# Altium PCB PCB_v3.PcbDoc (part 3 of 7) (continued)
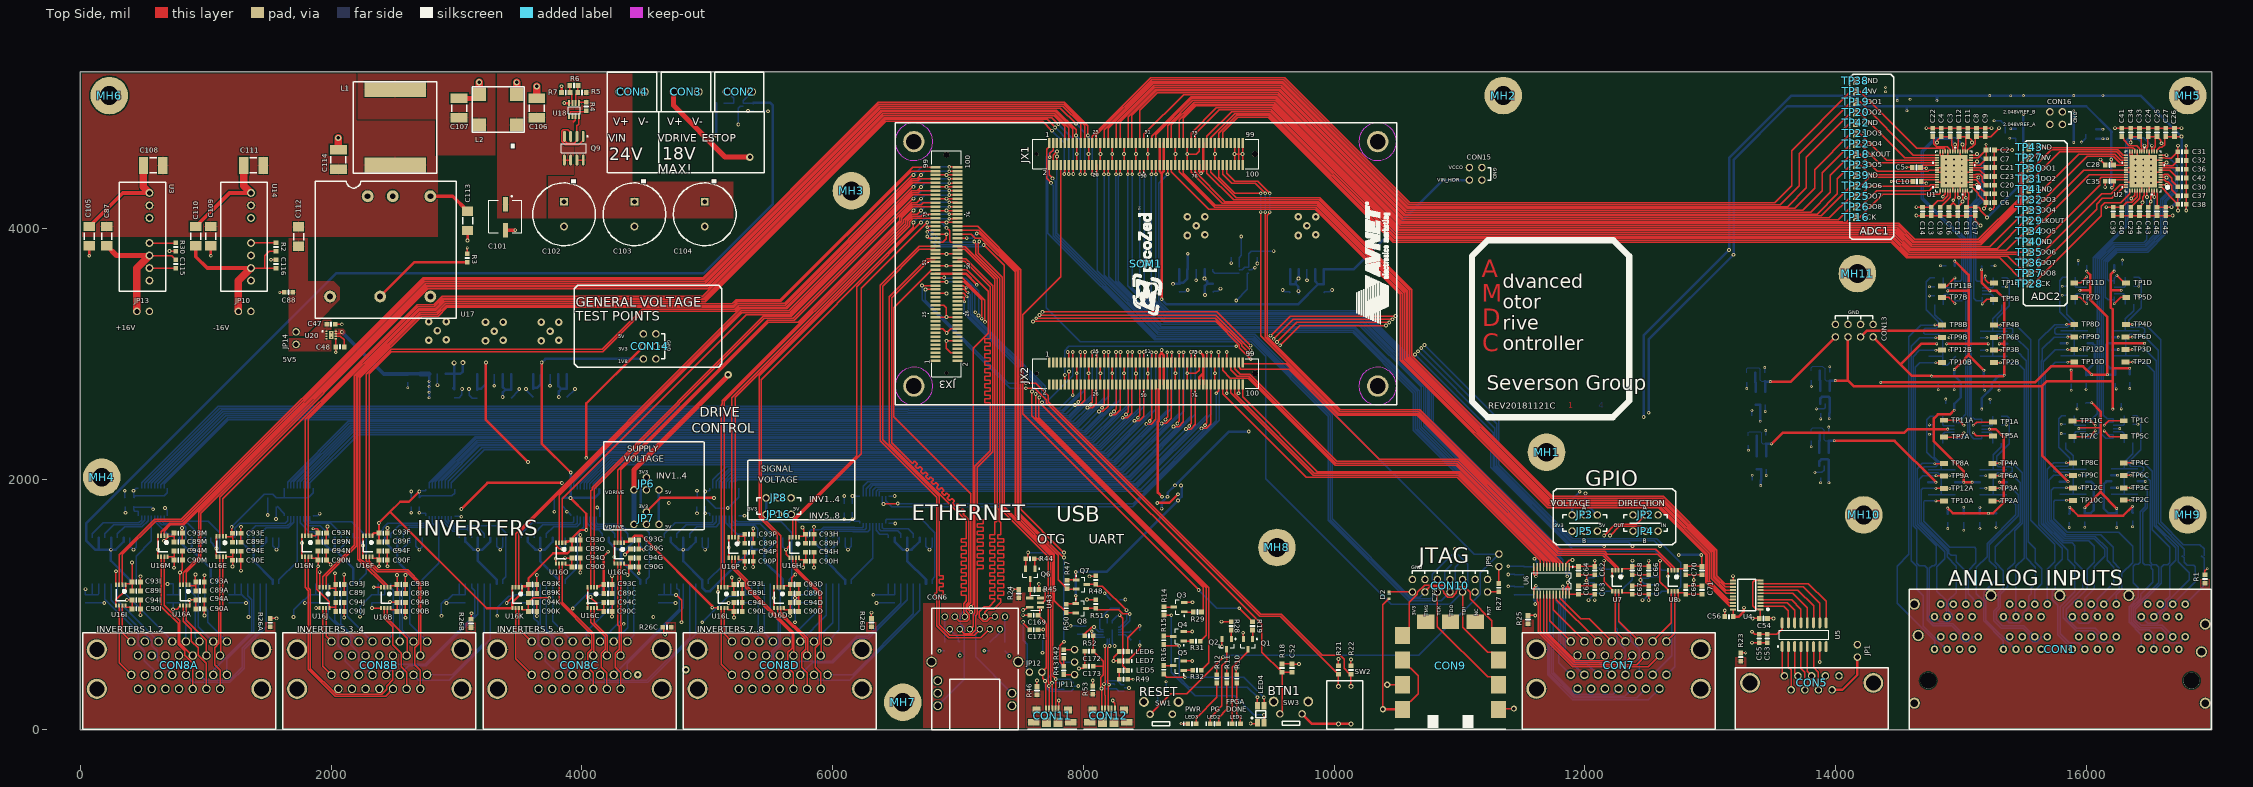
[diagram p0: Top Side view]
## Nets (pads, with @x,y where several pads share a name; then routed paths per layer and width w, separated by ;. In a path a pad name is that pad's centre, name@x,y a point inside that pad or via, vN(x,y) a via of type N, cw(c..) or ccw(c..) an arc to the next point about the centre after c; other vN are vias at no path point) (continued)
  Power Layer w20: CON16.3@15710,4930 15765,4875 15765,4786.08 15811.08,4740 16110.05,4740 v2(16133.89,4716.16)
  Bottom Side w20: v2(15947.02,1931.06) U48C.5@16002.28,1931.06 ; v2(15947.02,2031.06) U48C.3@16002.28,2031.06 ; v2(15955.31,3033.6) U48D.5@16011.85,3033.6 ; v2(15955.31,3133.6) U48D.3@16011.85,3133.6 ; U19B.2@16080.88,4716.16 v2(16133.89,4716.16) v2(16170,4716.16) ; U47C.3@16198.74,1931.55 v2(16250,1931.55) ; U47C.5@16198.74,2031.55 v2(16250,2031.55) ; U47D.3@16208.31,3034.08 v2(16255.62,3034.08) ; U47D.5@16208.31,3134.08 v2(16254.98,3134.08)
3.3V: C162.1 CON6.14 CON6.16 CON9.9 CON9.11 CON14.3 D2.A JP3.1 JP5.1 JP6.4 JP7.4 JP8.1 JP16.1 LED4.1 LED6.A LED7.A Q6.1 R10.2 R11.2 R44.2 R48.2 R49.2 R51.2 R56.1 U39.4 U39.5 | length 24002.5
  Top Side w10: R44.2@7608.46,1365 7612.95,1365 7613.94,1364.02 Q6.1@7613.94,1286.34 ; R44.2@7614.92,1365 v1(7655,1365) ; v1(8030,1040) 8097.21,1040 R51.2@8098.75,1038.46 ; v1(8050,1225) 8096.54,1225 R48.2@8100,1228.46 ; LED7.A@8286.54,550 v1(8240,550) 8241.54,551.54 8241.54,580 LED6.A@8286.54,625 ; R49.2@8353.46,403.98 v2(8396.57,403.98) ; R11.2@9145,441.06 v1(9145,495) ; v1(9220,490) 9220,446.06 R10.2@9225,441.06 ; v1(9335,50) 9381.64,50 LED4.1@9387.74,56.1 ; v5(10390,165) 10390,999.41 10438.03,1047.44 D2.A@10440,1047.44 ; CON9.11@10545,163.15 10670.46,288.61 10670.46,431.39 CON9.9@10545,556.85
  Top Side w20: v1(3234,2930) 3234,2473.12 v1(3570,2137.12) ; v1(4035,2170) 4035,2604.17 CON14.3@4490,3059.17 ; JP7.4@4515,1740 4625,1850 v1(5054,1850) ; v5(10390,165) 10536.85,165 10541.85,160 CON9.11@10545,163.15
  Ground Layer w20: v1(4035,2170) 4190.01,2014.99 JP6.4@4515,2014.99
  Power Layer w10: 8240,405 8241.02,403.98 v2(8396.57,403.98)
  Power Layer w20: v1(3570,2137.12) 3570.12,2137 4035,2137 ; v1(4035,2170) 4035,2137 ; v1(5054,1850) JP8.1@5469.83,1850 ; CON6.16@6839,293.03 7331,293.03 CON6.14@7431,193.03 8108.03,193.03 8240,325 8240,405 v1(8240,550) 8400,710 8400,975 v1(8335,1040) ; v1(7655,1365) 7795,1225 v1(8050,1225) 8050,1060 ; v1(8030,1040) 8050,1060 ; v1(8625,1765) 8335,1475 v1(8335,1040) ; v1(8671.54,1860) 9025,1506.54 9025,796.16 9275,546.16 ; v1(8732.07,1950.91) 8545.98,2137 4035,2137 ; v1(9145,495) 9150,490 v1(9220,490) ; v1(9320,2380) 11763.35,2380 11960,2183.35 v1(11960,1900) ; v1(9335,50) 9220,165 v1(9220,490) ; v5(10390,165) 9970.95,165 9880.95,75 9715,75 9685,105 9685,136.16 9275,546.16 ; JP5.1@11900,1585 JP3.1@11900,1715 ; 8050,1060 8070,1040 v1(8335,1040) ; v1(9220,490) 9220,491.16 9275,546.16
  Bottom Side w10: R56.1@8290,1038.46 8291.54,1040 v1(8335,1040)
  Bottom Side w20: U39.5@3167,2835.65 C162.1@3167,2713.46 3174.9,2721.37 3195.7,2721.37 3234,2759.67 U39.4@3234,2835.65 v1(3234,2930) ; JP7.4@4515,1740 4470,1785 4470,1969.99 JP6.4@4515,2014.99 ; JP16.1@5469.83,1720.17 5469.91,1720.26 5469.91,1849.91 JP8.1@5469.83,1850 ; v1(8625,1765) 8625,1813.46 v1(8671.54,1860) 8673.45,1861.91 8673.45,1892.29 v1(8732.07,1950.91) 9161.16,2380 v1(9320,2380) ; JP3.1@11900,1715 11900,1840 v1(11960,1900)
5.5V: C157A.1 C157B.1 C161.1 C163A.1 C163B.1 U20.7 U20.8 U37A.1 U37A.2 U37B.2 U39.1 U39.2 U40A.4 U40A.5 U40B.4 U40B.5 | length 2470.6
  Top Side w10: U20.8@2037.4,3179.53 U20.7@2037.4,3159.84 2070.32,3159.84 v1(2085,3174.53)
  Bottom Side w20: v2(2780.41,2650) v2(2780.41,2693.38) v2(2780.41,2739.23) v2(2780.41,2780) U40A.4@2780.41,2840 ; v1(3368,2655) 3369.91,2656.91 3369.91,2693.38 3390,2713.46 ; U39.2@3368,2835.65 3368,2735.46 3390,2713.46 ; U39.1@3435,2835.65 C161.1@3435,2713.46 3390,2713.46 ; U37A.2@3813,2835.65 3813,2742.54 3835.54,2719.99 ; v1(3816,2655) 3816,2700.45 3835.54,2719.99 ; U37A.1@3880,2835.65 C157A.1@3880,2719.99 3835.54,2719.99 ; U37B.2@8967.02,3676.54 8967.02,3597.29 8987.17,3577.15 8987.17,3558.46 ; v1(8970.02,3470) 8970.02,3541.32 8987.17,3558.46 ; C157B.1@9034.02,3558.46 8987.17,3558.46 ; U40B.5@9649.88,3676.54 C163B.1@9649.88,3555 9694.94,3555 ; 9716.88,3481.66 v1(9716.88,3500) 9714.97,3501.91 9714.97,3534.97 9694.94,3555 ; U40B.4@9716.88,3676.54 9716.88,3597.29 9694.94,3575.35 9694.94,3555
  Bottom Side w30: v1(2085,3174.53) 2419.53,2840 2609.32,2840 C163A.1@2610,2840.68 2712.72,2840.68 U40A.5@2713.41,2840
  Bottom Side w40: U40A.5@2713.41,2840 U40A.4@2780.41,2840
  other v1: 8967.02,3600 9716.88,3600
5.5V_ICL: C47.2 JP14.1 U20.1 U20.2 U20.3 U20.4
5.5V_JMP: C88.2 C112.2 JP14.2 U17.6 | length 11.1
  Top Side w30: U17.6@1991.01,3446.06 U17.6@1991.01,3457.17
5V: C3.1 C4.1 C8.1 C9.1 C13.1 C14.1 C17.1 C18.1 C26.1 C27.1 C33.1 C34.1 C39.1 C40.1 C45.1 C46.1 C53.1 C54.1 C55.1 C86.1 C92A.1 C92B.1 C92C.1 C92D.1 C92E.1 C92F.1 C164A.1 CON14.5 JP1.1 JP3.3 JP5.3 JP6.3 JP7.3 JP8.3 JP16.3 R13.1 R45.2 U1.15 U1.21 U1.43 U1.44 U1.52 U2.15 U2.21 U2.43 U2.44 U2.52 U4.1 U4.10 U5.16 U13A.20 U13B.20 U13C.20 U13D.20 U13E.20 U13F.20 U19A.1 U19B.1 U34.6 U40A.1 U40A.2 U43.5 | length 48286.2
  Top Side w10: v1(7520,957.02) 7523.83,960.85 7538.21,960.85 7554.96,977.6 U43.5@7572.68,977.6 ; R45.2@7643.46,1120 7645,1121.54 v1(7645,1165) ; v1(13335,783.22) 13355.57,762.65 C55.1@13391.54,762.65 C53.1@13456.54,762.65 13533,762.65 13575,804.65 U5.16@13575,853.67 ; v1(13340,888.59) C54.1@13391.54,888.59 13401.9,898.96 U4.1@13401.9,962.05 13366.89,962.05 13340,988.94 13340,1175.8 13356.57,1192.36 U4.10@13401.9,1192.36 ; v1(14645,4170) C14.1@14695,4170 C13.1@14765,4170 14816.83,4221.83 14856.66,4221.83 14895.79,4260.97 U1.44@14895.79,4301.04 ; v1(14810,4685) 14813.83,4688.83 14813.83,4701.9 C4.1@14845,4733.07 C3.1@14915,4733.07 14928.7,4719.37 14928.7,4660.94 14935.16,4654.49 U1.21@14935.16,4612.04 ; v1(14856.42,4253.41) 14856.42,4258.83 14874.39,4276.8 14874.39,4289.32 14876.1,4291.04 U1.43@14876.1,4301.04 ; U1.52@15053.27,4301.04 15053.27,4291.04 15065,4279.3 15065,4234.64 15058.7,4228.35 15058.7,4183.7 C18.1@15045,4170 C17.1@15115,4170 15143.46,4170 15155.63,4157.84 15155.63,4144.57 15208.43,4091.76 v1(15208.43,4087.79) ; U1.15@15053.27,4612.04 15053.27,4622.04 15080.07,4648.84 15089.2,4648.84 15115,4674.64 15115,4723.07 C8.1@15125,4733.07 C9.1@15195,4733.07 15238.07,4733.07 v1(15305,4800) ; v1(16160,4170) C39.1@16215,4170 C40.1@16285,4170 16325,4210 16361.82,4210 16405.79,4253.97 U2.44@16405.79,4301.04 ; v1(16355,4685) C34.1@16355,4733.07 C33.1@16425,4733.07 16438.7,4719.37 16438.7,4651.46 16445.16,4645 U2.21@16445.16,4612.04 ; v1(16360,4240) 16386.1,4266.1 U2.43@16386.1,4301.04 ; U2.52@16563.27,4301.04 16563.27,4291.04 16568.58,4285.72 16568.58,4173.58 C46.1@16565,4170 C45.1@16635,4170 v1(16680,4170) ; U2.15@16563.27,4612.04 16563.27,4622.04 16587.57,4646.34 16601.7,4646.34 16625,4669.64 16625,4723.07 C27.1@16635,4733.07 C26.1@16705,4733.07 v1(16760,4733.07)
  Top Side w20: v1(8590,1810) 8685.31,1810 v1(8755.31,1880)
  Power Layer w10: 13310,865.15 13316.56,865.15 v1(13340,888.59) ; v1(13335,783.22) 13360,808.22 13360,815.15 ; v1(14856.42,4253.41) v1@14858.07,4251.76 ; v2(15230,5060) 15230,4855 15255,4830 15275,4830 v1(15305,4800)
  Power Layer w20: v1(580,1760) 657.98,1682.02 v1@1557.98,1682.02 ; v1@1562.02,1682.02 2652.73,1682.02 v1(2703.31,1732.6) 2703.31,1733.31 2979.99,2009.99 ; v1(3880,1740) 3878.09,1738.09 3878.09,1696.43 3876.65,1695 ; JP7.3@4615,1640 4560,1695 3876.65,1695 ; JP6.3@4615,1914.99 4710.94,1914.99 4844.62,1781.31 4929.74,1781.31 ; v1(4983.31,1727.74) 4933.02,1778.02 5050,1895 5624.83,1895 JP8.3@5669.83,1850 5669.91,1849.91 5669.91,1720.09 JP16.3@5670,1720 ; v1(5070,4741) 5154.91,4741 5220,4675.91 5220,3889.17 CON14.5@4490,3159.17 4210.83,2880 3100,2880 v6(3050,2930) 2844.31,2930 2698.41,2784.1 2698.41,2291.58 2979.99,2009.99 ; v1(7520,957.02) 7520,1080 7610,1170 ; v1(7645,1165) 7643.09,1166.91 7613.09,1166.91 7610,1170 ; v1(8590,1810) 8057.57,1810 7610,1362.43 7610,1170 ; v1(9260,3936.54) 9467.4,3936.54 9575.05,3828.89 v1(13151.42,3828.89) ; v1(12005,1887) 12364.85,1887 12367.85,1890 12725,1890 ; JP5.3@12100,1585 JP3.3@12100,1715 ; JP1.1@14175,680 13495.15,680 13360,815.15 13310,865.15 12830,1345.15 12830,1644.77 12725,1749.77 12725,1890 ; v2(14492.1,5020) 14492.1,4322.9 v1(14645,4170) 14728.41,4253.41 v1(14856.42,4253.41) ; v1(14810,4685) v2(14810,5020) ; v2(15398.39,4794.96) 15399.2,4795.76 v2(15399.2,5059.2) ; v2(15500,4910) v2(15500,5060) ; v2(15900,4686) 15959.47,4626.54 16321.54,4626.54 16355,4660 v1(16355,4685) ; v2(15900,4940) v2(15900,5060) ; v2(16133.55,4790.96) v2(16133.55,5061.59) ; v1(16360,4240) 16230,4240 v1(16160,4170) 16217.17,4112.83 16622.83,4112.83 v1(16680,4170) ; 2979.99,2009.99 3070,1919.99 3329.99,1919.99 ; 3329.99,1919.99 3494.99,2084.99 8550.32,2084.99 v1(8755.31,1880) 9370.31,2495 v1(12470,2495) 12725,2240 12725,1890 ; 3329.99,1919.99 3554.98,1695 3876.65,1695
  Bottom Side w10: C92F.1@423.09,1782.6 423.09,1754.91 432,1746 456.5,1746 462.72,1739.78 U13F.20@462.72,1709.09 ; C92F.1@428.51,1777.18 562.82,1777.18 v1(580,1760) ; v1(1560,1682.02) C92E.1@1560,1781.43 ; C92E.1@1568.19,1782.6 1625.94,1724.84 U13E.20@1625.94,1709.09 ; v1(2703.31,1732.6) C92D.1@2703.31,1781.67 ; v1@2712.62,1728.7 2750.91,1728.7 2754.76,1724.84 U13D.20@2754.76,1709.09 ; C92C.1@3847.31,1782.6 v1@3876.17,1753.73 ; v1@3892.02,1736.17 3910.94,1717.24 U13C.20@3910.94,1709.09 ; C92B.1@4985.38,1782.6 C92B.1@4983.31,1780.53 4983.31,1732.6 4988.17,1727.74 5016.17,1727.74 5020.02,1723.88 U13B.20@5020.02,1709.09 U13B.20@5020.02,1708.35 ; JP16.3@5670,1720 5735.04,1654.96 6133.31,1654.96 v1(6158.31,1679.96) ; C92A.1@6158.45,1734.96 6158.31,1734.82 v1(6158.31,1679.96) ; U13A.20@6218.24,1646.5 6218.24,1662.24 6214.39,1666.1 6177.58,1666.1 6163.72,1679.96 v1(6158.31,1679.96) ; U34.6@9245.71,3692.13 9245.71,3770.67 C86.1@9246.58,3771.54 9260.28,3785.24 9260.28,3936.26 v1(9260,3936.54)
  Bottom Side w20: U40A.2@2914.41,2840 U40A.1@2981.41,2840 ; C164A.1@2973.5,2726.37 C164A.1@2981.41,2718.46 U40A.1@2981.41,2840 ; v6(2981.41,2928.59) U40A.1@2981.41,2840 ; v6(3050,2930) 3050,2860.63 3029.37,2840 U40A.1@2981.41,2840 ; JP7.3@4615,1640 JP6.3@4615,1914.99 ; R13.1@5066.54,5000.59 5070,4997.13 v1(5070,4741) ; v1(12005,1887) 12005,1810 JP3.3@12100,1715 ; v1(12470,2495) 12470,3147.47 v1(13151.42,3828.89) 13151.42,4560.83 13650.59,5060 14490,5060 ; v2(14492.1,5020) 14492.1,5057.9 14490,5060 ; v2(14810,5020) 14810,5060 ; v1(15208.43,4087.79) 15212.03,4087.79 15500,4375.76 v2(15500,4910) ; v2(15398.39,4794.96) U19A.1@15439.88,4794.96 ; v2(15399.2,5059.2) v2@15400,5060 ; v2(15900,4686) v2(15900,4940) ; U19B.1@16080.88,4790.96 v2(16133.55,4790.96) ; v1(16680,4170) 16761.54,4251.54 16761.54,4731.54 v1(16760,4733.07) 16433.07,5060 v2(15900,5060) v2(15500,5060) v2@15400,5060 ; 14490,5060 14810,5060 ; 14810,5060 v2(15230,5060) v2@15400,5060
+15V_A: C166A.2 C179A.1 C179B.1 C183A.1 C183B.1 C187A.2 C187B.2 CON1.3A CON1.3B CON1.3E CON1.3F CON13.1 R38A.2 U41A.5 U46A.4 U46B.4 U47A.11 U47B.11 U48A.11 U48B.11 | length 8673.6
  Top Side w20: v2(13990,2305.67) 14472.43,2305.67 v2(14801.67,1976.42) ; CON13.1@14300,3135 14520,2915 ; v2(14808.81,3078.81) 14683.81,3078.81 14520,2915 ; v2(14895,1770) 14936.88,1728.12 v2(15220,1728.12) 15258.12,1728.12 15342.17,1812.17 15342.17,1980.22 ; v2(15165.75,3670) 15165.75,3568.17 v2(15232.23,3501.69) 15285.28,3501.69 15346.48,3440.48 15346.48,3080 ; v2(15228,2399.31) 15278.79,2399.31 15342.17,2335.93 15342.17,1980.22 ; v2(15305.71,3079.29) 15345.78,3079.29 15346.48,3080 ; v2(15308.58,1976.91) 15338.85,1976.91 15342.17,1980.22 ; 14520,2915 14610.87,2824.13 14765.32,2824.13 v2(14766.93,2822.52) 15340.13,2822.52 v2(15346.48,2828.87) 15346.48,3080
  Power Layer w20: v2(14801.67,1976.42) 14895,1883.09 v2(14895,1770) ; CON1.3E@14990.16,643 14990.16,793 14940.16,843 CON1.3A@14940.16,1002.84 15087.32,1150 15220,1150 ; v2(15166.54,2559.33) 15166.54,2460.77 v2(15228,2399.31) ; v2(15220,1728.12) 15219.52,1727.64 15219.52,1150.48 15220,1150 ; CON1.3F@15540.16,643 15595.16,698 15623,698 15640,715 15640,792.84 15700,852.84 15700,935 15680,955 15538,955 CON1.3B@15490.16,1002.84 15343,1150 15220,1150
  Bottom Side w6: R38A.2@13806.2,2370 13806.2,2397.25 13818.96,2410 13890,2410 13909.67,2390.33 13909.67,2315 13919,2305.67 C166A.2@13947.07,2305.67
  Bottom Side w10: v2(15165.75,3670) 15165.75,3694.96 15164.25,3696.46 C187B.2@15170.54,3702.74 ; U46A.4@15167.72,2399.31 v2(15228,2399.31) ; U46B.4@15171.72,3501.69 v2(15232.23,3501.69)
  Bottom Side w20: U41A.5@13947.07,2210.71 C166A.2@13947.07,2305.67 v2(13990,2305.67) ; U48A.11@14741.18,1976.42 v2(14801.67,1976.42) ; U48B.11@14745.18,3078.81 v2(14808.81,3078.81) ; v2(14766.93,2822.52) C183B.1@14820,2822.52 ; C183A.1@14895,1723.48 v2(14895,1770) ; v2(15166.54,2559.33) C187A.2@15166.54,2600.36 15166.54,2645.87 15247.68,2727.01 15247.68,2768.54 C179B.1@15305,2825.87 15308,2828.87 v2(15346.48,2828.87) ; v2(15220,1728.12) C179A.1@15280.71,1728.12 ; v2(15305.71,3079.29) U47B.11@15370.77,3079.29 ; v2(15308.58,1976.91) U47A.11@15366.77,1976.91
+15V_B: C166B.2 C179C.1 C179D.1 C183C.1 C183D.1 C187C.2 C187D.2 CON1.3C CON1.3D CON1.3G CON1.3H CON13.5 R38B.2 U41B.5 U46C.4 U46D.4 U47C.11 U47D.11 U48C.11 U48D.11 | length 10062.3
  Top Side w10: 16197.82,3510 16201.34,3506.48
  Top Side w20: v2(13997.8,2787.13) 14100,2787.13 ; CON13.5@14100,3135 14100,2787.13 ; 15650,2410 15650,2186.1 v2(15855.04,1981.06) ; 15650,2417.62 15650,2746 ; v2(15869.94,1774.94) 15936.53,1708.35 16294.76,1708.35 v2(16369.02,1782.6) ; 15880,2780 15684,2780 15650,2746 ; v2(15880,2870) 15880,2781.07 15880.54,2780.54 16213.07,2780.54 ; 16201.34,3506.48 v2(16280,3506.48) ; v2(16213.07,2559.33) 16213.07,2780.54 ; 16215,3084.08 v2(16465.92,3084.08) ; 16221.02,2883.98 v2(16347.98,2883.98) ; v2(16222.57,3660) 16197.82,3635.25 16197.82,3510 16197.82,3367.55 16213.07,3352.3 16213.07,2780.54 ; 14100,2787.13 14144.24,2742.89 15646.89,2742.89 15650,2746
  Power Layer w20: v2(15848.66,3084.08) 15880.54,3052.21 15880,3051.67 v2(15880,2870) ; v2(15855.04,1981.06) 15869.94,1966.17 v2(15869.94,1774.94) ; CON1.3C@16040.16,1002.84 16187.32,1150 16404,1150 ; CON1.3G@16090.16,643 16168.16,565 16562.16,565 CON1.3H@16640.16,643 16654.19,643 16742.16,730.97 16742.16,809.79 16795,862.64 16795,930.5 16768.48,957.02 16635.98,957.02 CON1.3D@16590.16,1002.84 16443,1150 16404,1150 ; v2(16213.07,2559.33) 16213.07,2458.38 v2(16267.5,2403.95) ; v2(16471.52,1981.55) 16471.52,1885.1 v2(16369.02,1782.6) 16404,1747.61 16404,1150
  Bottom Side w6: R38B.2@13808.27,2863.06 13808.27,2890 13818.27,2900 13895.82,2900 13916.73,2879.08 13916.73,2795 13924.61,2787.13 C166B.2@13954.13,2787.13
  Bottom Side w10: v2(16213.07,2559.33) C187C.2@16213.07,2605 ; U46C.4@16214.25,2403.95 v2(16267.5,2403.95) ; C187D.2@16222.64,3707.53 C187D.2@16222.64,3707.53 ; U46D.4@16223.82,3506.48 v2(16280,3506.48)
  Bottom Side w20: U41B.5@13954.13,2706.57 C166B.2@13954.13,2787.13 v2(13997.8,2787.13) ; U48C.11@15787.72,1981.06 v2(15855.04,1981.06) ; U48D.11@15797.28,3083.6 15848.18,3083.6 v2(15848.66,3084.08) ; C183C.1@15865,1723.46 15869.94,1728.4 v2(15869.94,1774.94) ; v2(15880,2870) 15880,2829 C183D.1@15880.54,2828.46 ; v2(16222.57,3660) C187D.2@16222.64,3707.53 ; C179D.1@16347.98,2838.46 v2(16347.98,2883.98) ; v2(16369.02,1782.6) 16369.02,1734.91 C179C.1@16370.46,1733.46 ; U47C.11@16413.31,1981.55 v2(16471.52,1981.55) ; U47D.11@16422.87,3084.08 v2(16465.92,3084.08)
+16V: C165A.2 C165B.2 JP13.1 U41A.1 U41A.3 U41B.1 U41B.3 | length 594.2
  Bottom Side w20: U41A.3@13872.27,2107.56 13872.27,2142.27 13890,2160 13938.8,2160 13947.07,2151.73 U41A.1@13947.07,2107.56 13947.07,2011.06 C165A.2@13948.13,2010 v2(13948.13,1971.06) ; U41B.3@13879.33,2603.43 13879.33,2644.33 13891.98,2656.98 13944.75,2656.98 13954.13,2647.6 U41B.1@13954.13,2603.43 13954.13,2528.94 C165B.2@13950.2,2525 v2(13950.2,2481.25)
-15V_A: C168A.1 C180A.1 C180B.1 C184A.1 C184B.1 C188A.2 C188B.2 CON1.5A CON1.5B CON1.5E CON1.5F CON13.3 R41A.1 U42A.5 U46A.11 U46B.11 U47A.4 U47B.4 U48A.4 U48B.4 | length 10873.3
  Top Side w20: v2(13489.31,2281.54) 13577.78,2370 14547.78,2370 14577.09,2399.31 14785.47,2399.31 ; CON13.3@14200,3135 14250,3185 15057.63,3185 15062.63,3190 ; v2(14885.89,3078.81) 15062.63,3078.81 ; v2@14896.48,2400 v2(14895.79,2399.31) 14785.47,2399.31 ; v2(14896.69,3501.69) 15062.63,3501.69 ; v2(14946.95,2550) 14913.29,2516.34 14817.4,2516.34 14785.47,2484.41 14785.47,2399.31 ; v2(14947.46,2874.71) 15004.31,2931.55 15062.63,2989.87 ; v2(14951.46,3740) 15062.63,3628.84 15062.63,3501.69 ; v2(15090,1976.91) 15022.52,1976.91 15022.52,2064.64 14785.47,2301.68 14785.47,2399.31 ; v2(15184.03,2868.46) 15062.63,2989.87 ; v2(15219.52,3079.29) 15063.11,3079.29 15062.63,3078.81 ; 15062.63,2989.87 15062.63,3078.81 ; 15062.63,3078.81 15062.63,3190 ; 15062.63,3190 15062.63,3501.69
  Power Layer w20: CON13.3@14200,3135 14530,2805 14530,1220 14710,1040 14710,873.16 CON1.5E@14840.16,743 14840.16,584.84 14925,500 15299.13,500 15390.16,591.02 CON1.5F@15390.16,743 ; v2(15022.52,1775.48) v2(15022.52,1976.42) ; v2(15090,1976.91) 15095.98,1976.91 15152.2,1920.68 v2(15152.2,1775) ; CON1.5A@15090.16,902.84 15163,830 15303.16,830 CON1.5F@15390.16,743 ; CON1.5B@15640.16,902.84 15557.32,820 15467.16,820 CON1.5F@15390.16,743
  Bottom Side w6: R41A.1@13306.2,2345 13306.2,2373.45 13312.9,2380.15 13400.2,2380.15 13410.2,2370.15 13410.2,2289.47 13418.13,2281.54 C168A.1@13444.67,2281.54
  Bottom Side w10: v2(14895.79,2399.31) U46A.11@14949.21,2399.31 ; v2(14896.69,3501.69) U46B.11@14953.21,3501.69
  Bottom Side w20: U42A.5@13447.07,2181.57 13447.07,2279.13 C168A.1@13444.67,2281.54 v2(13489.31,2281.54) ; v2(14885.89,3078.81) U48B.4@14959.75,3078.81 ; v2(14946.95,2550) 14946.95,2599.85 C188A.2@14947.46,2600.36 14999.74,2652.64 14999.74,2774.1 14947.46,2826.38 v2(14947.46,2874.71) ; C188B.2@14951.46,3702.74 v2(14951.46,3740) ; U48A.4@14955.75,1976.42 v2(15022.52,1976.42) ; v2(15022.52,1775.48) 15023,1775 C184A.1@15023,1723.46 ; v2(15090,1976.91) U47A.4@15152.2,1976.91 ; C180A.1@15152.2,1723.48 v2(15152.2,1775) ; U47B.4@15156.2,3079.29 v2(15219.52,3079.29) ; C180B.1@15184.03,2822.52 v2(15184.03,2868.46)
-15V_B: C168B.1 C180C.1 C180D.1 C184C.1 C184D.1 C188C.2 C188D.2 CON1.5C CON1.5D CON1.5G CON1.5H CON13.7 R41B.1 U42B.5 U46C.11 U46D.11 U47C.4 U47D.4 U48C.4 U48D.4 | length 12627.6
  Top Side w10: v2(15940,2403.95) 15944.59,2408.54 16081.7,2408.54 16083.16,2410 16118.02,2410
  Top Side w20: v2(13480,2779.13) 13644.13,2779.13 CON13.7@14000,3135 ; v2(14361.94,2771.52) 15591.52,2771.52 15720.31,2900.31 15974.78,2900.31 16041.63,2833.46 v2(16043.72,2833.46) v2(16170,2833.46) 16170,3293.29 16031.31,3431.98 16031.31,3515 ; v2(15950,3506.48) 16022.8,3506.48 16031.31,3515 ; v2(15990.16,1772.54) 16113.81,1896.19 v2(16243.03,1766.97) ; v2(16003.57,3660) 16003.57,3658.75 16031.31,3631 16031.31,3515 ; v2(16044.44,2610.24) 16118.02,2536.66 16118.02,2410 16118.02,1900.41
  Power Layer w20: CON13.7@14000,3135 14400,2735 14400,870 14875,395 15511.19,395 15899.67,783.48 ; CON1.5G@15940.16,743 15899.67,783.48 ; v2@16043.72,2615.14 v2(16043.72,2833.46) ; CON1.5H@16490.16,743 16490.16,814.68 16481.92,822.92 ; CON1.5D@16740.16,902.84 16660.24,822.92 16481.92,822.92 ; 15899.67,783.48 15946.19,830 16117.32,830 CON1.5C@16190.16,902.84 16330.32,902.84 16410.24,822.92 16481.92,822.92
  Bottom Side w6: R41B.1@13293.27,2848.94 13293.27,2880 13300.81,2887.55 13390,2887.55 13401.73,2875.82 13401.73,2790 13410.2,2781.54 C168B.1@13436.73,2781.54
  Bottom Side w10: v2(15940,2403.95) U46C.11@15995.75,2403.95 ; v2(15950,3506.48) U46D.11@16005.31,3506.48 ; C188C.2@15994,2605 15999.24,2610.24 v2(16044.44,2610.24) ; v2(16003.57,3660) C188D.2@16003.57,3707.53
  Bottom Side w20: C168B.1@13436.73,2781.54 C168B.1@13439.13,2779.13 ; U42B.5@13439.13,2698.56 C168B.1@13439.13,2779.13 ; v2(13480,2779.13) C168B.1@13439.13,2779.13 ; CON1.5G@15940.16,743 CON1.5G@15952.16,743 ; v2(15990.16,1772.54) 15989.49,1771.87 C184C.1@15989.49,1728.12 16035.66,1728.12 16061.63,1754.09 16061.63,1958.06 16038.62,1981.06 U48C.4@16002.28,1981.06 ; U48D.4@16011.85,3083.6 16051.4,3083.6 16066.9,3068.1 16066.9,2928.16 15999.06,2860.31 C184D.1@15999.06,2830.66 16001.86,2833.46 v2(16043.72,2833.46) ; v2(16170,2833.46) C180D.1@16230,2833.46 16230,2873.45 16217.07,2886.38 16189.22,2886.38 16160,2915.59 16160,3072.22 16171.87,3084.08 U47D.4@16208.31,3084.08 ; U47C.4@16198.74,1981.55 16161.55,1981.55 16140,1960 16140,1766.73 16178.6,1728.12 C180C.1@16243.03,1728.12 v2(16243.03,1766.97)
-16V: C167A.1 C167B.1 JP10.2 U42A.2 U42A.3 U42B.2 U42B.3 | length 341.8
  Bottom Side w20: U42B.3@13364.33,2595.41 U42B.2@13401.73,2595.41 13401.73,2509.18 C167B.1@13400.2,2507.65 v2(13400.2,2461.44) ; U42A.3@13372.27,2078.43 U42A.2@13409.67,2078.43 13409.67,1996.54 C167A.1@13403.13,1990 v2(13403.13,1948.71)
ADC1_CLKOUT: SOM1.JX1-37 TP18.1 U1.33 | length 7545.4
  Top Side w10: SOM1.JX1-37@8293.58,4680 8293.58,4850.26 8570.32,5127 9574.07,5127 10571.07,4130 13801.17,4130 13960,4288.83 13960,4425 14126.37,4591.37 v2(14160,4591.37) 14198.63,4591.37 14335,4455 14735.36,4455 14746.73,4466.38 U1.33@14809,4466.38
ADC1_CNV: SOM1.JX1-23 TP14.1 U1.24 | length 8205.4
  Top Side w10: SOM1.JX1-23@8073.11,4680 8073.11,4735.86 8539.25,5202 9605.13,5202 10602.13,4205 13515,4205 13650,4340 13650,4620 14122.75,5092.75 v2(14160,5092.75) 14192.25,5092.75 14646.96,4638.04 14866.56,4638.04 14875.1,4629.49 14875.1,4613.04 U1.24@14876.1,4612.04
ADC1_IN1: TP11A.1 U1.48 U46A.13 U46A.14 | length 2206.4
  Top Side w10: TP11A.1@14864.65,2470 14984.54,2470 v2(15025,2429.54) ; U1.48@14974.53,4301.04 14974.53,4260.88 14985,4250.41 v1(14985,4245)
  Bottom Side w10: v1(14985,4245) 14985,3978.43 15040,3923.43 15040,3745 15040,2535 15040,2516.34 14999.74,2476.08 U46A.14@14949.21,2476.08 U46A.13@14949.21,2450.49 15004.05,2450.49 v2(15025,2429.54)
ADC1_IN2: TP7A.1 U1.51 U46A.8 U46A.9 | length 2348.3
  Top Side w10: TP7A.1@14864.65,2335 14990,2335 v2(15025,2370) ; U1.51@15033.58,4301.04 15033.58,4256.83 15040,4250.41 v1(15040,4245)
  Bottom Side w10: v2(15025,2370) 15003.13,2348.13 U46A.9@14949.21,2348.13 U46A.8@14949.21,2322.54 15011.59,2322.54 15055,2365.95 15055,3745 15055,3761.52 ; v1(15040,4245) 15055,4230 15055,3766.21
ADC1_IN3: TP5B.1 U1.11 U46B.6 U46B.7 | length 1421.4
  Top Side w10: U1.11@15081,4525.43 15115.02,4525.43 15124.59,4535 v1(15130,4535) ; v2(15171.72,3398.28) 15208.43,3435 TP5B.1@15265,3435
  Bottom Side w10: v1(15130,4535) 15166.43,4498.57 15166.43,4233 15103.48,4170.05 15103.48,3695 15103.48,3445 15123.56,3424.92 U46B.7@15171.72,3424.92 ; v2(15171.72,3398.28) U46B.7@15171.72,3424.92 ; U46B.6@15171.72,3450.51 U46B.7@15171.72,3424.92
ADC1_IN4: TP1B.1 U1.14 U46B.1 U46B.2 | length 1350.9
  Top Side w10: U1.14@15081,4584.49 15114.08,4584.49 15124.59,4595 v1(15130,4595) ; v2(15195,3620) 15195,3590 15220,3565 TP1B.1@15265,3565
  Bottom Side w10: v1(15130,4595) 15181.43,4543.57 15181.43,4226.79 15118.48,4163.83 15118.48,3745 15118.48,3590 15130.01,3578.46 U46B.1@15171.72,3578.46 ; U46B.2@15171.72,3552.87 U46B.1@15171.72,3578.46 ; v2(15195,3620) 15171.72,3596.72 U46B.1@15171.72,3578.46
ADC1_IN5: TP7B.1 U1.20 U46B.8 U46B.9 | length 1920.9
  Top Side w10: TP7B.1@14850,3450 14905,3450 v2(14953.21,3401.79) ; U1.20@14954.84,4612.04 14954.92,4612.11 14954.92,4669.92 v1(14955,4670)
  Bottom Side w10: v2(14953.21,3401.79) U46B.8@14953.21,3424.92 ; U46B.9@14953.21,3450.51 U46B.8@14953.21,3424.92 ; v1(14955,4670) 14915,4710 14799.64,4710 14700,4610.36 14700,4242.22 15021.52,3920.7 15021.52,3745 15021.52,3440 15006.44,3424.92 U46B.8@14953.21,3424.92
ADC1_IN6: TP11B.1 U1.17 U46B.13 U46B.14 | length 1854.7
  Top Side w10: TP11B.1@14850,3540 14888.21,3540 v2(14953.21,3605) ; U1.17@15013.9,4612.04 v1(15013.9,4670)
  Bottom Side w10: U46B.13@14953.21,3552.87 U46B.14@14953.21,3578.46 ; v2(14953.21,3605) U46B.14@14953.21,3578.46 ; v1(15013.9,4670) 14958.9,4725 14793.43,4725 14685,4616.57 14685,4236.01 15006.52,3914.48 15006.52,3745 15006.52,3590 14994.99,3578.46 U46B.14@14953.21,3578.46
ADC1_IN7: TP1A.1 U1.5 U46A.1 U46A.2 | length 2359.5
  Top Side w10: U1.5@15081,4407.32 v1(15140,4407.32) ; v2(15100,2429.54) 15125.46,2455 TP1A.1@15256.54,2455
  Bottom Side w10: v2(15100,2429.54) 15120.95,2450.49 U46A.2@15167.72,2450.49 U46A.1@15167.72,2476.08 15112.1,2476.08 15085,2499.7 15085,3745 15085,4172.78 15151.43,4239.21 15151.43,4390.48 15140,4401.91 v1(15140,4407.32)
ADC1_IN8: TP5A.1 U1.2 U46A.6 U46A.7 | length 2441.4
  Top Side w10: U1.2@15081,4348.27 v1(15126.43,4348.27) ; v2(15100,2370) 15125,2345 TP5A.1@15256.54,2345
  Bottom Side w10: v2(15100,2370) 15121.87,2348.13 U46A.6@15167.72,2348.13 U46A.7@15167.72,2322.54 15104.4,2322.54 15070,2356.93 15070,3745 15070,4178.99 15126.43,4235.43 v1(15126.43,4348.27)
ADC1_SCK: SOM1.JX1-53 TP16.1 U1.41 | length 7010
  Top Side w10: SOM1.JX1-53@8545.55,4680 8545.55,4737.52 8860.03,5052 9543,5052 10540,4055 14090,4055 14125,4090 v2(14160,4090) 14194.35,4090 14377.77,4273.41 14826.62,4273.41 14835.73,4282.53 14835.73,4304 14836.73,4303 U1.41@14836.73,4301.04
ADC1_SDO1: SOM1.JX1-25 TP19.1 U1.27 | length 8030.3
  Top Side w10: SOM1.JX1-25@8104.61,4680 8104.61,4746.14 8545.47,5187 9598.92,5187 10595.92,4190 13559.21,4190 13710,4340.79 13710,4595 14124.19,5009.19 v2(14160,5009.19) 14195.81,5009.19 14620.51,4584.49 U1.27@14809,4584.49
ADC1_SDO2: SOM1.JX1-29 TP20.1 U1.28 | length 7924.1
  Top Side w10: SOM1.JX1-29@8167.6,4680 8167.6,4787.92 8551.68,5172 9592.71,5172 10589.71,4175 13617.96,4175 13767.43,4324.46 13767.43,4567.43 14125.62,4925.62 v2(14160,4925.62) 14191.35,4925.62 14552.17,4564.8 U1.28@14809,4564.8